# Altium PCB carrier_pcb.PcbDoc (part 2 of 3) (continued)
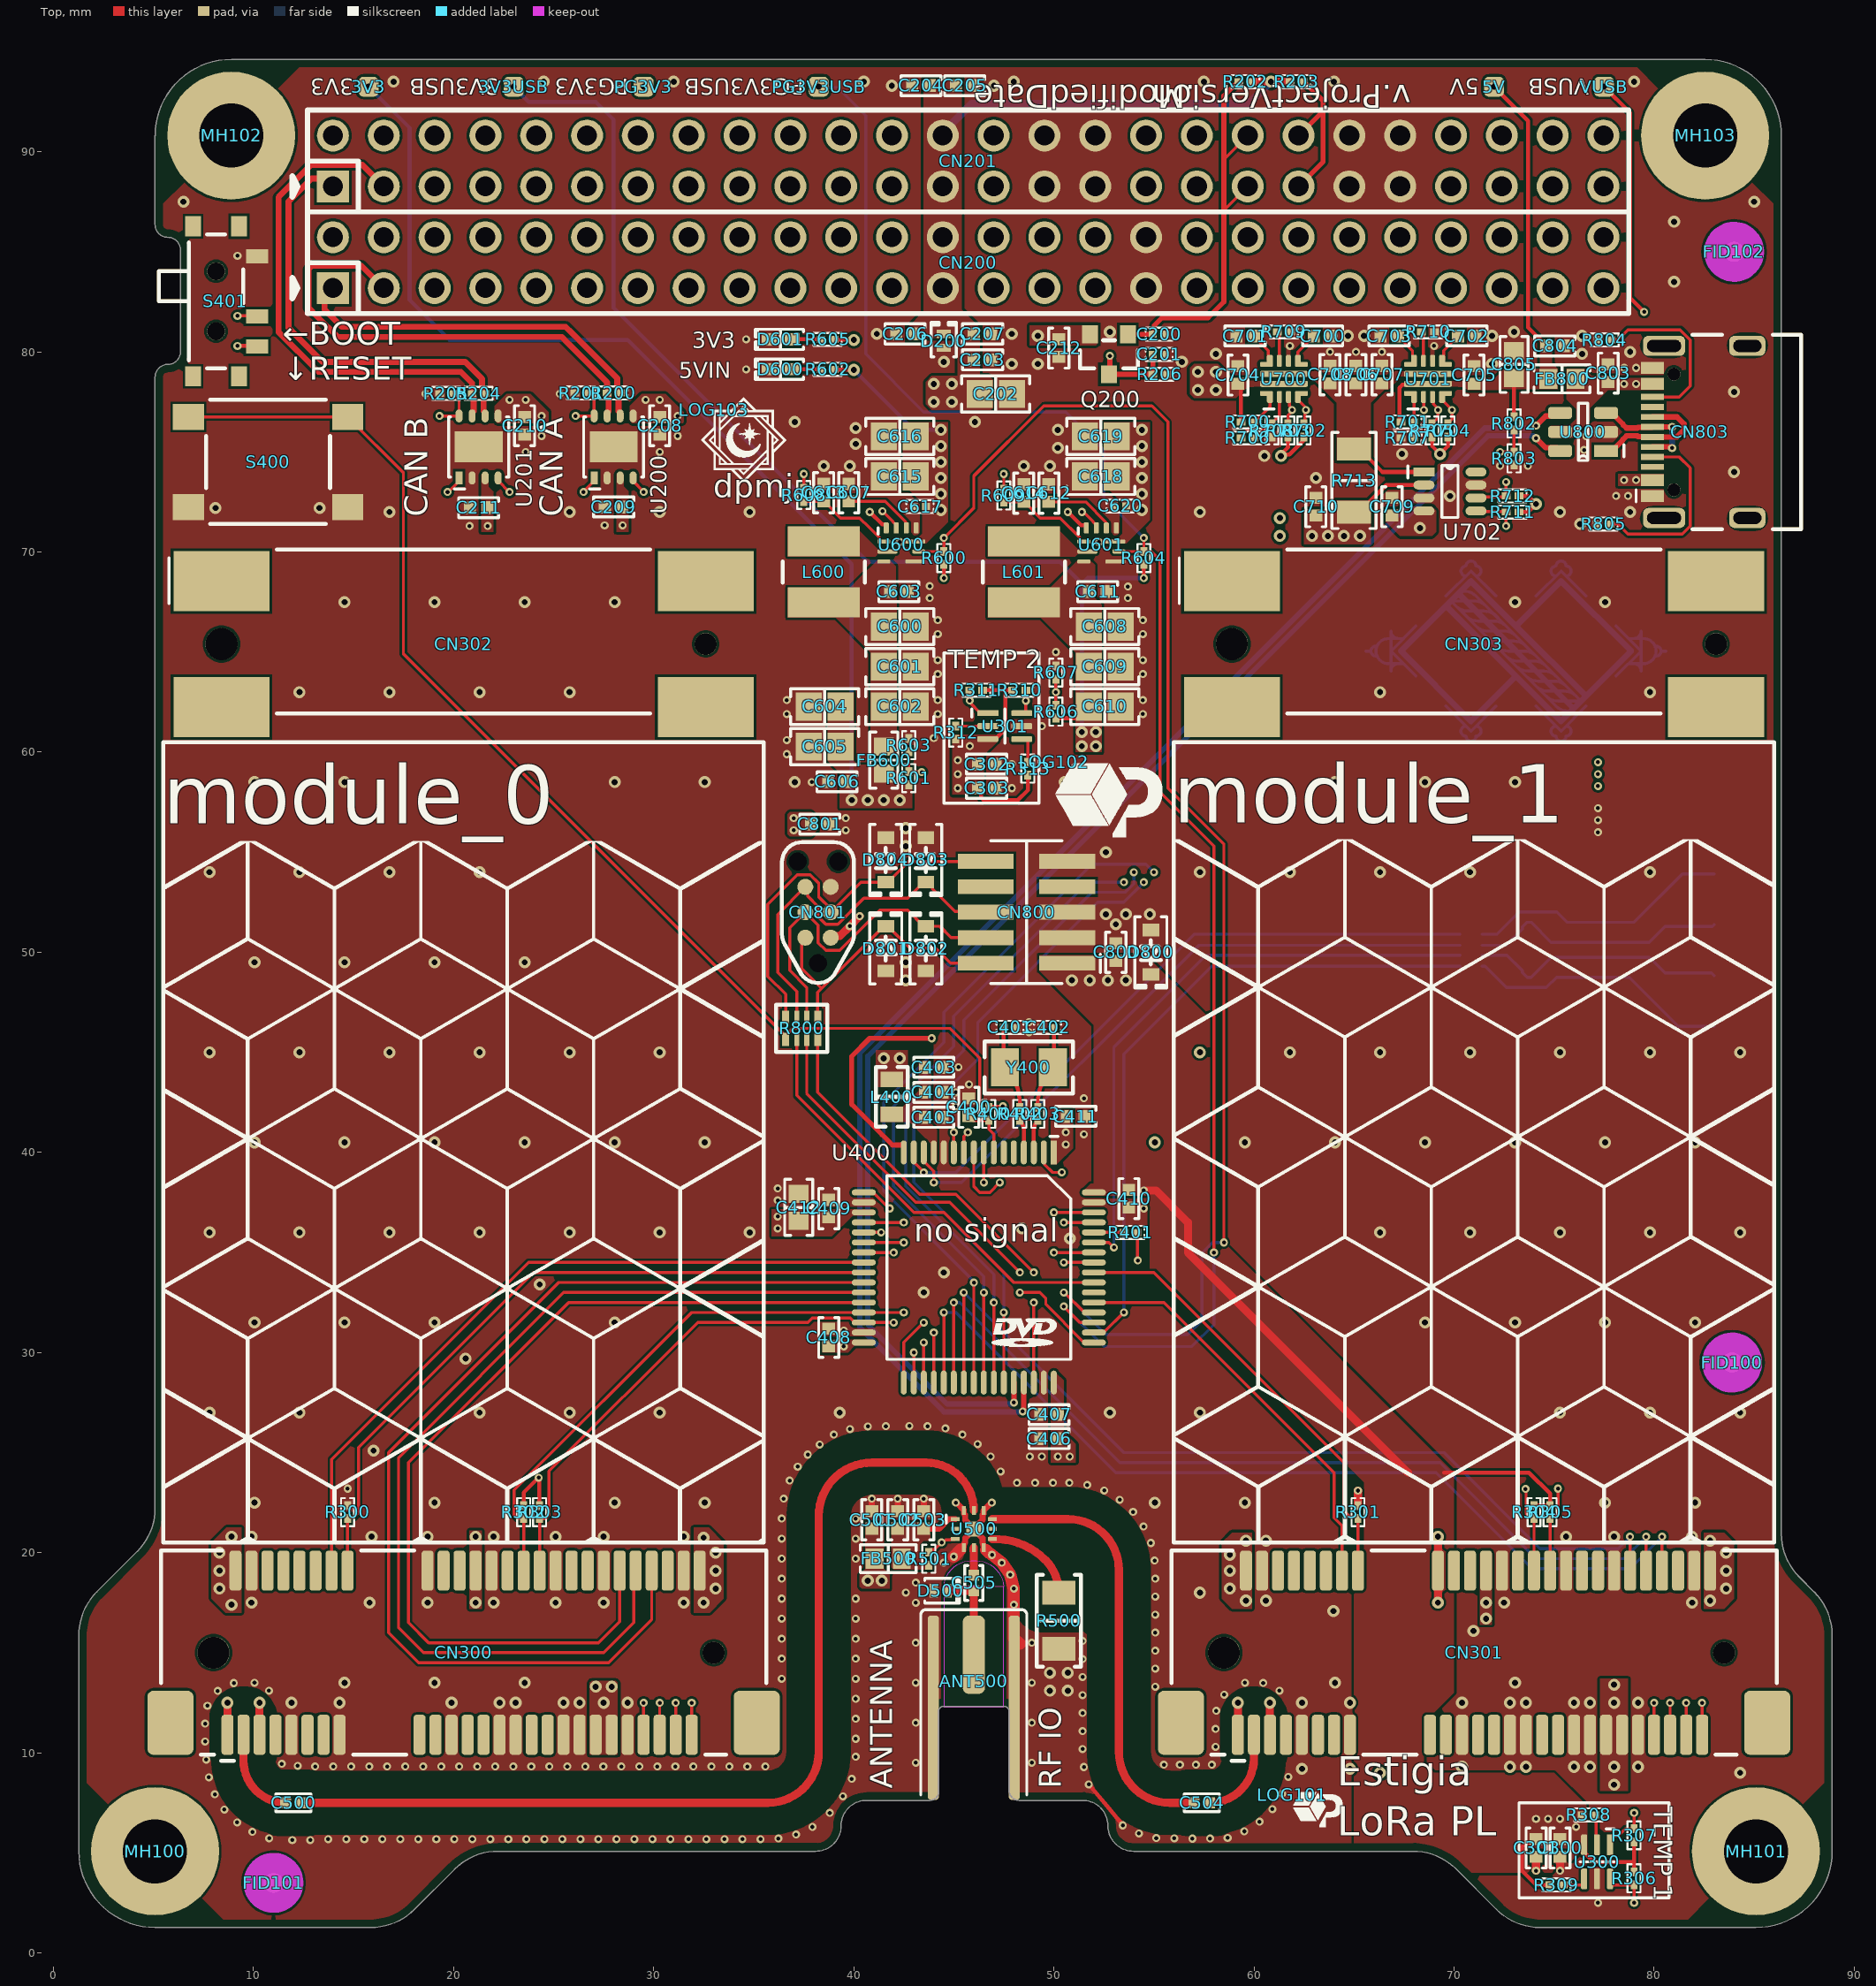
[diagram p0: Top view]
## Nets (pads, with @x,y where several pads share a name; then routed paths per layer and width w, separated by ;. In a path a pad name is that pad's centre, name@x,y a point inside that pad or via, vN(x,y) a via of type N, cw(c..) or ccw(c..) an arc to the next point about the centre after c; other vN are vias at no path point) (continued)
GW0_CLK32M: CN300.12
GW0_ENABLE: CN300.16 R300.2 U400.25 | length 35.4
  Top w0.15: CN300.16@14.7,19.1 R300.2@14.7,21.745 ; R300.2@14.7,21.7 14.762,21.762 15.012,21.762 15.25,22 15.25,25.25 24,34 U400.25@40.5,34
GW0_I2C.SCL: CN300.30 R302.1 R307.1 U300.1 U400.29 | length 85.2
  Top w0.15: CN300.30@23.5,19.1 R302.1@23.5,21.745 ; R302.1@23.5,21.7 23.488,21.712 23.188,21.712 23.029,21.871 23.029,23.129 31.9,32 U400.29@40.5,32 v1(42.5,32) ; U300.1@77.8,5.4 77.8,5.775 77.875,5.85 78.212,5.85 78.562,6.2 R307.1@79,6.2 v1(79,7)
  Layer 1 w0.15: v1(42.5,32) 42.5,29.5 43.3,28.7 58.6,28.7 67.5,19.8 67.5,10.4 72.4,5.5 77.5,5.5 v1(79,7)
GW0_I2C.SDA: CN300.32 R303.1 R306.1 U300.6 U400.30 | length 84.5
  Top w0.15: CN300.32@24.3,19.1 24.3,20.737 24.305,20.742 R303.1@24.305,21.55 ; R303.1@24.3,21.7 24.305,21.705 24.612,21.705 24.773,21.866 24.773,24.073 32.2,31.5 37.7,31.5 37.925,31.725 39.825,31.725 40.05,31.5 U400.30@40.5,31.5 v1(42,31.5) ; U300.6@77.8,3.7 77.8,3.475 77.875,3.4 R306.1@79,3.4 v1(79,2.5)
  Layer 1 w0.15: v1(42,31.5) 42,29.3 43.1,28.2 58.5,28.2 67,19.7 67,10.2 72.2,5 77.5,5 79,3.5 v1(79,2.5)
GW0_PGOOD.1V2: CN300.42 U400.28 | length 48
  Top w0.15: CN300.42@28.3,19.1 28.3,16.55 27.25,15.5 18.75,15.5 17.75,16.5 17.75,24.5 25.75,32.5 U400.28@40.5,32.5
GW0_PGOOD.3V3: CN300.44 U400.27 | length 50.7
  Top w0.15: CN300.44@29.1,19.1 29,19 29,16.5 27.5,15 18.5,15 17.25,16.25 17.25,24.75 25.5,33 U400.27@40.5,33
GW0_PGOOD.3V9: CN300.46 U400.26 | length 53.4
  Top w0.15: CN300.46@29.9,19.1 29.9,16.65 27.75,14.5 18.25,14.5 16.75,16 16.75,25 25.25,33.5 U400.26@40.5,33.5
GW0_RESET: CN300.14 U400.24 | length 36.2
  Top w0.15: CN300.14@13.9,19.1 13.9,24.65 23.75,34.5 U400.24@40.5,34.5
GW0_RFIO: C500.1 CN300.3 | length 4.6
  Top w0.409: CN300.3@9.5,10.9 9.5,9.61 ccw(c11.61,9.61) C500.1@11.61,7.5
GW0_SPI.CSN: CN300.51 U400.20 | length 35
  Top w0.15: CN300.51@31.9,10.9 v1(31.9,12.5) ; U400.20@40.5,36.5 v1(42.5,36.5)
  Layer 1 w0.15: v1(31.9,12.5) 34.4,12.5 35.7,13.8 35.7,29.8 40.45,34.55 42.35,34.55 43,35.2 43,36 v1(42.5,36.5)
GW0_SPI.MISO: CN300.47 U400.22 | length 34.7
  Top w0.15: CN300.47@30.3,10.9 v1(30.3,12.5) ; U400.22@40.5,35.5 v1(42.5,35.5)
  Layer 1 w0.15: v1(30.3,12.5) 31.3,13.5 33.8,13.5 34.5,14.2 34.5,30.2 39.8,35.5 v1(42.5,35.5)
GW0_SPI.MOSI: CN300.49 U400.23 | length 32.7
  Top w0.15: CN300.49@31.1,10.9 v1(31.1,12.5) ; U400.23@40.5,35 v1(42,35)
  Layer 1 w0.15: v1(31.1,12.5) 31.6,13 34.1,13 35.1,14 35.1,30 40.1,35 v1(42,35)
GW0_SPI.SCK: CN300.45 U400.21 | length 33.4
  Top w0.15: CN300.45@29.5,10.9 v1(29.5,12.5) ; U400.21@40.5,36 v1(41.364,36)
  Layer 1 w0.15: v1(29.5,12.5) 31,14 33.5,14 34,14.5 34,30.4 39.6,36 v1(41.364,36)
GW1_CLK32M: CN301.12
GW1_ENABLE: CN301.16 R301.2 U400.56 | length 22.3
  Top w0.15: U400.56@52,34 55,34 64.5,24.5 64.5,22.088 64.8,21.788 65.112,21.788 R301.2@65.2,21.7 CN301.16@65.2,19.1
GW1_I2C.SCL: CN301.30 R304.1 R311.1 R711.1 U301.1 U400.8 U702.5 | length 115.2
  Top w0.15: R311.1@45.8,63.1 45.8,62.475 46.325,61.95 U301.1@46.7,61.95 ; v1(46.5,38.5) U400.8@46.5,40 ; U702.5@71.1,72.05 71.125,72.025 72.575,72.025 R711.1@72.6,72 v1(72.6,71.3) ; v1(73.579,23.179) 73.6,23.158 73.6,21.972 73.727,21.845 73.9,21.845 74,21.745 R304.1@74,21.7 CN301.30@74,19.1
  Layer 1 w0.15: v1(45.791,62.579) 46.5,62.579 ; v1(72.6,71.3) 73.2,71.9 73.2,76.1 70.175,79.125 61.525,79.125 59.7,77.3 48.8,77.3 46.5,75 46.5,62.579 ; v1(73.579,23.179) 73.579,23.221 60.8,36 53.6,36 51.6,38 47,38 v1(46.5,38.5) 46.5,62.579
GW1_I2C.SDA: CN301.32 R305.1 R310.1 R712.1 U301.6 U400.9 U702.6 | length 114.5
  Top w0.15: U400.9@46,40 46,38.3 46.3,38 46.8,38 v1(47.3,38.5) ; U301.6@48.4,61.95 48.525,61.95 48.6,62.025 R310.1@48.6,63.1 ; U702.6@71.1,72.7 71.15,72.75 72.55,72.75 R712.1@72.6,72.8 v1(72.6,73.5) ; CN301.32@74.8,19.1 R305.1@74.8,21.7 74.8,21.745 74.9,21.845 75.112,21.845 75.2,21.933 v1(75.2,23.2)
  Layer 1 w0.15: v1(48.6,62.563) 47,62.563 ; v1(72.6,73.5) 72.6,73.563 72.8,73.763 72.8,75.7 69.8,78.7 61.9,78.7 60.2,77 49.2,77 47,74.8 47,62.563 ; v1(75.2,23.2) 74.6,23.8 73.7,23.8 61,36.5 53.7,36.5 51.7,38.5 v1(47.3,38.5) 47.3,38.572 47,38.872 47,62.563
GW1_PGOOD.1V2: CN301.42 U400.39 | length 45.1
  Top w0.15: U400.39@45.5,28.5 v1(45.5,33) ; CN301.42@78.8,19.1 v1(78.8,20.8)
  Bottom w0.15: v1(45.5,33) 53.5,25 69.5,25 74.3,20.2 78.2,20.2 v1(78.8,20.8)
GW1_PGOOD.3V3: CN301.44 U400.38 | length 46.1
  Top w0.15: U400.38@45,28.5 v1(45,32.5) ; CN301.44@79.6,19.1 v1(79.6,20.8)
  Bottom w0.15: v1(45,32.5) 45.301,32.499 53.3,24.5 69.3,24.5 74.1,19.7 78.5,19.7 v1(79.6,20.8)
GW1_PGOOD.3V9: CN301.46 U400.37 | length 47.1
  Top w0.15: U400.37@44.5,28.5 v1(44.5,32) ; CN301.46@80.4,19.1 v1(80.4,20.8)
  Bottom w0.15: v1(44.5,32) 45.1,32 53.1,24 69.1,24 73.9,19.2 78.8,19.2 v1(80.4,20.8)
GW1_RESET: CN301.14 U400.53 | length 20.6
  Top w0.15: U400.53@52,32.5 55.5,32.5 64,24 64,21.75 64.4,21.35 CN301.14@64.4,19.1
GW1_RFIO: C504.1 CN301.3 | length 4.7
  Top w0.409: C504.1@57.79,7.5 ccw(c57.79,9.71) 60,9.71 CN301.3@60,10.9
GW1_SPI.CSN: CN301.51 U400.33 | length 51.8
  Top w0.15: U400.33@42.5,28.5 42.5,30.5 v1(43.5,31.5) ; CN301.51@82.4,10.9 v1(82.4,12.5)
  Layer 1 w0.15: v1(43.5,31.5) 63.4,31.5 v1(82.4,12.5)
GW1_SPI.MISO: CN301.47 U400.35 | length 48.4
  Top w0.15: U400.35@43.5,28.5 v1(43.5,30.5) ; CN301.47@80.8,10.9 v1(80.8,12.5)
  Layer 1 w0.15: v1(43.5,30.5) 62.8,30.5 v1(80.8,12.5)
GW1_SPI.MOSI: CN301.49 U400.36 | length 49.4
  Top w0.15: U400.36@44,28.5 v1(44,31) ; CN301.49@81.6,10.9 v1(81.6,12.5)
  Layer 1 w0.15: v1(44,31) 63.1,31 v1(81.6,12.5)
GW1_SPI.SCK: CN301.45 U400.34 | length 47.3
  Top w0.15: U400.34@43,28.5 v1(43,30) ; CN301.45@80,10.9 v1(80,12.5)
  Layer 1 w0.15: v1(43,30) 62.5,30 v1(80,12.5)
HEAD.CTS_8: CN802.5 D808.2 R801.3 | length 12.9
  Bottom w0.15: R801.3@71.4,49.85 72.65,49.85 73.41,49.09 73.41,48.987 73.648,48.75 73.852,48.75 74.852,49.75 79.765,49.75 80.538,48.977 82.863,48.977 CN802.5@83,48.84
HEAD.NRST_8: CN800.10 CN801.3 D804.2 R800.4 | length 19.9
  Top w0.15: R800.4@36.6,46.75 36.6,47.9 35.7,48.8 35.7,52.4 37.17,53.87 37.828,53.87 38.249,53.449 38.249,52.769 38.849,52.169 CN801.3@38.849,52 40.349,53.5 D804.2@41.599,53.5 41.702,53.5 42.742,54.54 CN800.10@46.599,54.54
HEAD.RTS_8: CN802.6 D809.2 R801.4 | length 13.3
  Bottom w0.15: R801.4@71.4,49.3 71.55,49.3 72.613,48.237 74.616,48.237 75.129,48.75 D809.2@75.75,48.75 78.75,48.75 81.2,46.3 CN802.6@83,46.3
HEAD.RX_8: CN802.3 D806.2 R801.1 | length 13.3
  Bottom w0.15: R801.1@71.4,50.9 72.14,50.9 73.252,52.013 75.135,52.013 75.648,51.5 D806.2@75.75,51.5 79,51.5 81.42,53.92 CN802.3@83,53.92
HEAD.SWCLK_8: CN800.4 CN801.4 D802.2 R800.2 | length 17.7
  Top w0.15: R800.2@37.65,46.75 37.65,48.25 36.8,49.1 36.8,51.221 CN801.4@37.579,52 38.222,51.357 38.222,50.478 38.609,50.091 39.291,50.091 41.3,52.1 42.697,52.1 43.497,51.3 44.3,51.3 44.87,50.73 CN800.4@46.599,50.73
HEAD.SWDIO_8: CN800.2 CN801.2 D801.2 R800.1 | length 14.8
  Top w0.15: CN801.2@37.579,50.73 37.579,50.554 37.4,50.375 37.4,49.2 38.399,48.201 ; R800.1@38.2,46.75 38.2,48.002 41.498,51.3 D801.2@41.6,51.3 41.702,51.3 42.802,50.2 44.094,50.2 44.834,49.46 CN800.2@46.599,49.46
HEAD.SWO_8: CN800.6 CN801.6 D803.2 R800.3 | length 19.3
  Top w0.15: R800.3@37.15,46.75 37.15,48.05 36.2,49 36.2,51.891 CN801.6@37.579,53.27 37.697,53.153 37.697,52.803 38.217,52.283 38.217,51.784 38.601,51.4 39.2,51.4 40.5,52.7 42.697,52.7 43.497,53.5 43.702,53.5 43.939,53.262 43.939,53.16 45.067,52.032 46.567,52.032 CN800.6@46.599,52
HEAD.TX_8: CN802.4 D807.2 R801.2 | length 12.9
  Bottom w0.15: R801.2@71.4,50.35 72.6,50.35 73.41,51.16 73.41,51.263 73.648,51.5 73.852,51.5 74.852,50.5 79.75,50.5 80.538,51.288 82.908,51.288 CN802.4@83,51.38
KILL_5V: CN201.39 CN201.40 R203.1 R608.2 | length 46.9
  Top w0.15: R608.2@37.5,73.175 v1(37.5,73.9)
  Top w0.25: CN201.39@62.23,88.27 63.46,89.5 63.46,92.04 ; CN201.40@62.23,90.81 63.46,92.04 ; R203.1@62.45,93.5 62.495,93.5 63.46,92.535 63.46,92.04
  Layer 1 w0.2: v1(37.5,73.9) 37.5,74.9 44.3,81.7 60.3,81.7 61,82.4 61,87.04 ; CN201.39@62.23,88.27 61,87.04 ; CN201.40@62.23,90.81 61,89.58 61,87.04
MCU_BOOT0_4: R401.2 U400.60 | length 1.5
  Top w0.15: U400.60@52,36 R401.2@53.5,36
MCU_NRESET: C400.2 R400.1 R800.5 S400.B1 S400.B2 U400.7 | length 64.8
  Top w0.15: S400.B2@6.75,76.75 S400.B1@14.7,76.75 17.492,73.958 17.492,64.908 36.6,45.8 R800.5@36.6,45.65 36.7,45.75 36.7,45.933 36.967,46.2 44.8,46.2 46.3,44.7 46.3,42.232 46.103,42.035 45.975,42.035 C400.2@45.75,41.81 45.96,41.6 R400.1@46.75,41.6 46.757,41.593 46.757,41.155 47,40.912 U400.7@47,40
NetC401_2: C401.2 R402.1 Y400.1 | length 4.2
  Top w0.2: C401.2@47.5,46.25 47.5,44.371 ccw(c47.671,44.371) Y400.1@47.55,44.25 47.556,44.244 cw(c45.76,42.448) 48.3,42.448 R402.1@48.3,42.25
NetC402_2: C402.2 R403.1 Y400.2 | length 4.2
  Top w0.2: R403.1@49.2,42.25 49.2,42.448 cw(c51.74,42.448) 49.944,44.244 ccw(c49.809,44.379) Y400.2@49.95,44.25 ccw(c49.809,44.379) 50,44.379 C402.2@50,46.25
NetCN803_A5: CN803.A5 R805.2 | length 9.4
  Top w0.15: R805.2@77.8,71.4 78.2,71.4 78.7,70.9 81.4,70.9 81.8,71.3 81.8,74.2 81.25,74.75 CN803.A5@79.91,74.75
NetCN803_B5: CN803.B5 R804.2 | length 8.8
  Top w0.15: R804.2@77.85,80.6 77.857,80.607 78.207,80.607 78.7,81.1 81.3,81.1 81.8,80.6 81.8,78.3 81.25,77.75 CN803.B5@79.91,77.75
NetD600_1: D600.1 R602.1 | length 1.4
  Top w0.2: D600.1@36.92,79.125 R602.1@38.37,79.125
NetD601_1: D601.1 R605.1 | length 1.4
  Top w0.2: D601.1@36.92,80.625 R605.1@38.37,80.625
NetR308_1: R308.1 U300.2 | length 1.5
  Top w0.15: R308.1@77.05,6.9 77.1,6.85 77.1,5.45 U300.2@77.15,5.4
NetR309_1: R309.1 U300.4 | length 1.3
  Top w0.15: R309.1@75.45,3.4 76.425,3.4 76.5,3.475 U300.4@76.5,3.7
NetR312_1: R312.1 U301.2 | length 1.6
  Top w0.15: R312.1@45.1,61.3 U301.2@46.7,61.3
NetR313_1: R313.1 U301.4 | length 1.4
  Top w0.15: U301.4@48.4,60.65 48.625,60.65 48.7,60.575 R313.1@48.7,59.5
OSC32.IN_4: R403.2 U400.3 | length 1.7
  Top w0.2: U400.3@49,40 49,41.117 cw(c49.683,41.117) R403.2@49.2,41.6
OSC32.OUT_4: R402.2 U400.4 | length 1.7
  Top w0.2: R402.2@48.3,41.6 cw(c47.817,41.117) 48.5,41.117 U400.4@48.5,40
P_SAT_ST.ACTIVE: R703.2 U400.41 U700.3 U701.2 | length 69
  Top w0.15: U400.41@46.5,28.5 v1(46.5,33) ; R703.2@61.7,76.4 61.713,76.413 61.713,76.845 61.9,77.032 v1(61.9,77.1) 61.9,77.168 61.775,77.293 61.775,77.7 U700.3@61.725,77.75 ; U701.2@68.475,77.75 68.487,77.738 68.487,77.113 v1(68.5,77.1)
  Layer 1 w0.15: v1(53.5,53.5) 53.476,53.524 53.476,55.376 61.9,63.8 v1(61.9,77.1) 62.5,77.7 67.9,77.7 v1(68.5,77.1)
  Bottom w0.15: v1(46.5,33) 46.5,33.8 42,38.3 42,42.3 45,45.3 45,46.8 51.7,53.5 v1(53.5,53.5)
P_SAT_ST.FAULT: R702.2 U400.42 U700.4 | length 61.2
  Top w0.15: U400.42@47,28.5 v1(47,32.5) ; U700.4@62.2,77.75 62.2,77.6 62.552,77.248 62.552,77.148 v1(62.6,77.1) 62.552,77.052 62.552,76.452 R702.2@62.5,76.4
  Layer 1 w0.15: v1(54,54) 54,54.9 62.3,63.2 62.3,76.8 v1(62.6,77.1)
  Bottom w0.15: v1(47,32.5) 47,33.9 42.6,38.3 42.6,42.2 45.5,45.1 45.5,46.6 51.9,53 53.566,53 54,53.434 v1(54,54)
P_USB_ST.ACTIVE: R705.2 U400.43 U701.3 | length 64.7
  Top w0.15: U400.43@47.5,28.5 v1(47.5,32) ; R705.2@68.9,76.4 68.9,76.445 69,76.545 69.045,76.545 69.2,76.7 v1(69.2,77.1) 69.2,77.168 68.975,77.393 68.975,77.7 U701.3@68.925,77.75
  Layer 1 w0.15: v1(54.5,53.5) 54.5,54.4 70.4,70.3 70.4,75.9 v1(69.2,77.1)
  Bottom w0.15: v1(47.5,32) 47.5,34 43,38.5 43,41.465 46.2,44.665 46.2,46.5 52.2,52.5 53.5,52.5 v1(54.5,53.5)
P_USB_ST.FAULT: R704.2 U400.40 U701.4 | length 67.1
  Top w0.15: U400.40@46,28.5 v1(46,33.5) ; U701.4@69.4,77.75 69.4,77.6 v1(69.9,77.1) 69.9,76.633 69.812,76.545 69.8,76.545 69.7,76.445 R704.2@69.7,76.4
  Layer 1 w0.15: v1(55,54) 70.9,69.9 70.9,76.1 v1(69.9,77.1)
  Bottom w0.15: v1(46,33.5) 46,33.566 41.5,38.066 41.5,42.5 44.5,45.5 44.5,47 51.9,54.4 54.6,54.4 v1(55,54)
PMUX_SAT.DVDT_7: C700.2 U700.7 | length 1.6
  Top w0.15: U700.7@62.2,79.55 62.2,80 62.755,80.555 62.775,80.555 63,80.78 C700.2@63,80.8
PMUX_SAT.EN_7: R700.1 R706.2 U700.1 | length 2.7
  Top w0.15: R706.2@59.35,75.7 59.395,75.7 59.495,75.8 59.495,75.922 59.855,76.282 59.855,76.4 59.955,76.5 60.045,76.5 60.8,77.255 U700.1@60.8,77.75
PMUX_SAT.ILM_7: R709.2 U700.9 | length 1.4
  Top w0.15: U700.9@61.275,79.55 R709.2@61.275,80.94
PMUX_SAT.ITIMER_7: C701.2 U700.10 | length 1.6
  Top w0.15: C701.2@60,80.8 60,80.78 60.725,80.055 60.725,79.625 U700.10@60.8,79.55
PMUX_SAT.OVLO_7: R706.1 R708.2 U700.2 | length 2.7
  Top w0.15: R706.1@60,75.7 60.045,75.7 60.6,76.255 60.8,76.255 60.9,76.355 R708.2@60.9,76.4 60.9,76.445 61.275,76.82 U700.2@61.275,77.75
PMUX_USB.DVDT_7: C702.2 U701.7 | length 1.6
  Top w0.15: U701.7@69.4,79.55 69.475,79.625 69.475,80.055 70.2,80.78 C702.2@70.2,80.8
PMUX_USB.EN_7: R701.1 R707.2 U701.1 | length 2.1
  Top w0.15: R707.2@68,75.7 R701.1@68,76.5 U701.1@68,77.75
PMUX_USB.ILM_7: R710.2 U701.9 | length 1.4
  Top w0.15: U701.9@68.475,79.55 R710.2@68.475,80.988
PMUX_USB.ITIMER_7: C703.2 U701.10 | length 1.6
  Top w0.15: C703.2@67.2,80.8 67.2,80.78 67.925,80.055 67.925,79.625 U701.10@68,79.55
RADIO_CLK32M: U400.5
RBF_3V3: C201.2 Q200.3 R206.1 U400.16 | length 53.8
  Top w0.25: U400.16@42.5,40 42.5,40.342 42.477,40.366 41.934,40.366 41.4,40.9 39.9,42.4 39.9,44.8 40.8,45.7 v1(43.9,45.7) ; v1(52.8,79.8) 52.8,78.93 Q200.3@52.75,78.88 R206.1@54.95,78.88 C201.2@54.95,79.88
  Layer 1 w0.25: v1(43.9,45.7) 44.6,46.4 44.6,60.8 45.1,61.3 45.1,74.4 50.5,79.8 v1(52.8,79.8)
RBF_5V_2: C200.2 CN201.37 CN201.38 Q200.1 R202.1 | length 20.4
  Top w0.15: 58.5,87.08 CN201.37@59.69,88.27 ; 58.5,89.62 CN201.38@59.69,90.81
  Top w0.25: Q200.1@53.7,80.88 C200.2@54.95,80.88 54.975,80.88 55.025,80.93 55.025,81.325 55.4,81.7 57.7,81.7 58.5,82.5 58.5,87.08 58.5,89.62 58.5,92.795 59.205,93.5 R202.1@59.25,93.5
RFSW.P1_5: R500.2 U500.7 | length 4.7
  Top w0.409: U500.7@46.93,20.68 cw(c47.053,17.118) 49.573,19.636 cw(c47.934,18) 50.216,18.395 R500.2@50.25,18
RFSW.P2_5: C505.1 U500.5 | length 1.4
  Top w0.409: C505.1@46,18.88 46,19.929 ccw(c45.591,19.929) 45.994,19.996 cw(c46.616,20.099) 45.991,20.179 45.992,20.185 ccw(c45.586,20.237) 45.993,20.195 cw(c46.619,20.131) 45.995,20.216 U500.5@46,20.25
RFSW.P3_5: C500.2 U500.11 | length 49.7
  Top w0.409: C500.2@12.39,7.5 35.71,7.5 ccw(c35.71,10.04) 38.25,10.04 38.25,21.841 cw(c40.909,21.841) 40.909,24.5 43.61,24.5 cw(c43.61,22.11) U500.11@46,22.11
RFSW.P4_5: C504.2 U500.9 | length 22.1
  Top w0.409: U500.9@46.93,21.68 50.71,21.68 cw(c50.71,19.14) 53.25,19.14 53.25,10.04 ccw(c55.79,10.04) 55.79,7.5 C504.2@57.01,7.5
RFSW_CTRL: R501.1 U400.17 U500.3 | length 23.8
  Top w0.15: U400.17@40.5,38 40.975,38 41.775,37.2 v1(41.8,37.2) ; R501.1@43.753,20.02 43.753,20.053 43.853,20.153 44.033,20.153 v1(44.392,20.512) ; v1@44.4,20.5 44.447,20.5 44.591,20.644 44.837,20.644 44.848,20.655 45.045,20.655 U500.3@45.07,20.68
  Layer 1 w0.15: v1(41.8,37.2) 42.6,37.2 43.6,36.2 43.6,34.5 40.8,31.7 40.8,28.4 42.2,27 42.2,24.4 42.9,23.7 42.9,22.004 v1(44.392,20.512)
SWD.SWCLK: R800.7 U400.49 | length 23
  Top w0.15: R800.7@37.65,45.65 37.65,42.95 43.1,37.5 44.8,37.5 v1(48.3,34) ; v1(48.3,33) 49.3,33 49.6,32.7 49.6,32.4 51.425,30.575 51.434,30.575 51.509,30.5 U400.49@52,30.5
  Layer 1 w0.15: v1(48.3,33) v1(48.3,34)
SWD.SWDIO: R800.8 U400.46 | length 22.7
  Top w0.15: R800.8@38.2,45.65 38.2,43 43.3,37.9 45.1,37.9 v1(49,34) ; U400.46@49,28.5 v1(49,32.5)
  Layer 1 w0.15: v1(49,32.5) v1(49,34)
SWD.SWO: R800.6 U400.55 | length 21.5
  Top w0.15: R800.6@37.15,45.65 37.15,42.85 43,37 44.5,37 48,33.5 U400.55@52,33.5
UART4.CTS: R801.6 U400.59 | length 30.3
  Top w0.15: U400.59@52,35.5 52.75,35.5 v1(53,35.25)
  Bottom w0.15: v1(53,35.25) 53,45.25 57.6,49.85 R801.6@70.3,49.85
UART4.RTS: R801.5 U400.50 | length 33.4
  Top w0.15: U400.50@52,31 52.491,31 52.566,31.075 52.575,31.075 v1(53.5,32)
  Bottom w0.15: v1(53.5,32) 53.5,44.9 57.9,49.3 R801.5@70.3,49.3
UART4.RX: R801.8 U400.15 | length 32.9
  Top w0.15: U400.15@43,40 43,39.52 43.495,39.025 v1(43.495,38.995)
  Bottom w0.15: v1(43.495,38.995) 43.5,39 45.1,39 57,50.9 R801.8@70.3,50.9
UART4.TX: R801.7 U400.14 | length 32.9
  Top w0.15: U400.14@43.5,40 43.5,39.555 44,39.055 v1(44,38.5)
  Bottom w0.15: v1(44,38.5) 45.4,38.5 57.25,50.35 R801.7@70.3,50.35
USB3V3.EN_6: C614.2 R609.1 U601.1 | length 4.9
  Top w0.15: R609.1@47.5,72.5 C614.2@48.5,72.5 48.52,72.5 49.32,71.7 50.325,71.7 51.293,70.732 51.293,70.55 51.318,70.525 U601.1@51.5,70.525
USB3V3.FB_6: R606.1 R607.2 U601.9 | length 13.2
  Top w0.15: R606.1@50.1,62.35 v1(50.1,63) R607.2@50.1,63.65 ; v1(51.4,72) 51.448,71.952 51.526,71.952 51.95,71.529 51.95,71.525 52.125,71.35 U601.9@52.125,71.2
  Layer 1 w0.15: v1(50.1,63) 52.8,65.7 52.8,70.7 51.636,71.864 51.631,71.864 51.495,72 v1(51.4,72)
USB3V3.SS_6: C612.2 U601.8 | length 3.6
  Top w0.15: C612.2@49.75,72.5 51.6,72.5 52.6,71.5 52.6,71.225 U601.8@52.625,71.2
USB3V3.SW_6: L601.1 U601.2
USB.D_N: U400.44 U800.6 | length 71.1
  Top w0.269: v1(48,27.5) U400.44@48,28.5 ; v1(74.1,75.687) 74.582,75.206 75.144,75.206 U800.6@75.3,75.05
  Bottom w0.269: v1(48,27.5) 47.964,27.5 47.893,27.429 44.671,27.429 40.7,31.4 40.7,44.8 71.702,75.802 73.95,75.802 74.064,75.687 v1(74.1,75.687)
USB.D_P: U400.45 U800.4 | length 73.3
  Top w0.269: v1(48.442,27.058) 48.442,27.094 48.5,27.152 U400.45@48.5,28.5 ; v1(74.1,76.312) 74.582,76.794 75.144,76.794 U800.4@75.3,76.95
  Bottom w0.269: v1(48.442,27.058) 48.417,27.033 44.507,27.033 40.304,31.236 40.304,44.964 71.538,76.198 73.95,76.198 74.064,76.312 v1(74.1,76.312)
USB_PGOOD: PG3V3USB.0 R604.1 U400.51 U601.5 | length 86.8
  Top w0.15: v1(50.5,32.3) 51.3,31.5 U400.51@52,31.5 ; U601.5@53.25,70.025 R604.1@54.5,70.025 ; v1(54.5,70.7) R604.1@54.5,70.025 ; v1(58,35) 58,55.3 55.3,58 55.3,69.6 54.875,70.025 R604.1@54.5,70.025
  Bottom w0.15: PG3V3USB.0@38.25,93.25 38.5,93.25 38.537,93.213 39.187,93.213 40.6,91.8 40.6,79.9 43.5,77 50.6,77 52.5,75.1 52.5,72.7 v1(54.5,70.7) ; v1(50.5,32.3) 52.5,30.3 56.9,30.3 58,31.4 v1(58,35)
USB_PWR_EN: R609.2 R802.1 R803.2 U400.2 | length 69.3
  Top w0.15: R609.2@47.5,73.15 v1(47.5,73.9) ; U400.2@49.5,40 49.529,39.971 49.529,39.417 49.946,39 v1(50.4,39) ; v1(72.3,75) R803.2@73,75 R802.1@73,76.1
  Layer 1 w0.15: v1(50.4,39) 49.3,40.1 49.3,60.1 50,60.8 50,61.9 49.3,62.6 49.3,72.1 v1(47.5,73.9) 47.5,74.5 49.7,76.7 60.7,76.7 62.2,78.2 69.436,78.2 72.282,75.354 72.282,75.018 v1(72.3,75)
USBC.D_8_N: CN803.A7 CN803.B7 U800.3 | length 5.7
  Top w0.269: U800.3@77.6,76.95 77.892,76.95 78.436,76.405 78.436,76.379 78.617,76.198 79.16,76.198 79.196,76.234 79.894,76.234 CN803.A7@79.91,76.25 79.914,76.254 80.896,76.254 v1(80.9,76.258) ; CN803.B7@79.91,75.25 80.85,75.25 cw(c80.85,75.2) v1(80.9,75.2)
  Bottom w0.269: v1(80.9,75.2) v1(80.9,76.258)
USBC.D_8_P: CN803.A6 CN803.B6 U800.1 | length 6.4
  Top w0.269: U800.1@77.6,75.05 77.9,75.05 78.446,75.596 78.446,75.631 78.617,75.802 79.16,75.802 79.196,75.766 79.894,75.766 CN803.A6@79.91,75.75 81.15,75.75 81.5,76.1 81.5,76.4 81.15,76.75 CN803.B6@79.91,76.75
VBUS_5V_SAT: C202.2 C203.2 C204.2 C205.2 C206.2 C207.2 C704.2 CN200.25 CN200.26 CN201.25 CN201.26 D200.2 R202.2 R203.2 R700.2 U700.5 | length 21.5
  Top w0.2: C704.2@59.2,78.4 59.35,78.25 R700.2@59.35,76.5
  Top w0.4: R202.2@59.9,93.5 v2(60.85,93.5) R203.2@61.8,93.5
  Bottom w0.4: CN201.26@44.45,90.81 44.45,90.95 45.9,92.4 59.75,92.4 v2(60.85,93.5)
  other v2: 44,77.5 44.9,77.5 57.2,78.1 58.1,78.1 44,78.4 44.9,78.4 57.2,79 58.1,79
VBUS_5V_USB: C803.2 CN803.A4-B9 CN803.B4-A9 FB800.1 U800.5 VUSB.0 | length 16.6
  Top w0.2: VUSB.0@77.5,93.25 78.8,91.95 78.8,82.7 v1(79.5,82)
  Layer 2 w0.2: v1(78.5,78.4) 77.9,79 77.9,80.4 v1(79.5,82)
  other v1: 78.5,73.6 79.1,73.6 79.1,78.4
VCC_3V3: 3V3.0 C208.2 C209.2 C210.2 C211.2 C212.2 C300.2 C301.2 C302.2 C303.2 C408.2 C409.2 C410.2 C411.2 C412.2 C501.2 C604.2 C605.2 C606.2 C709.2 C800.2 C801.2 C802.2 CN800.1 CN801.1 CN802.1 D800.2 D805.2 FB500.1 FB600.2 L400.1 Q200.2 R302.2 R303.2 R304.2 R305.2 R306.2 R307.2 R308.2 R309.2 R310.2 R311.2 R312.2 R313.2 R400.2 R600.2 R601.2 R605.2 R702.1 R703.1 R704.1 R705.1 R711.2 R712.2 S401.3 U200.3 U200.5 U201.3 U201.5 U300.3 U301.3 U400.1 U400.19 U400.32 U400.64 U702.4 | length 109.9
  Top w0.2: v1(9.2,80.3) 10.154,80.3 S401.3@10.178,80.276 ; R302.2@23.5,22.35 23.5,23 v1(24.25,23.75) 24.275,23.725 24.275,22.375 R303.2@24.3,22.35 ; R605.2@39.02,80.625 39.033,80.612 39.987,80.612 v2(40,80.6) ; v1(44.5,68.7) R600.2@44.5,69.375 ; C303.2@46.2,58.2 46.372,58.028 46.372,57.728 46.5,57.6 48.2,57.6 48.7,58.1 R313.2@48.7,58.85 ; R311.2@46.45,63.1 47.2,63.1 47.525,63.1 ; U301.3@46.7,60.65 47.075,60.65 47.575,61.15 47.575,63.05 47.525,63.1 ; R400.2@46.75,42.25 46.775,42.275 47.425,42.275 v1(47.45,42.3) ; R310.2@47.95,63.1 47.525,63.1 ; v2(61.35,74.8) v2@61.5,74.8 ; R703.1@61.7,75.75 61.7,75.23 61.441,74.971 61.441,74.859 v2@61.5,74.8 ; R702.1@62.5,75.75 62.5,75.6 61.777,74.877 61.535,74.877 61.5,74.842 v2@61.5,74.8 ; R705.1@68.9,75.75 68.9,75.3 v2(69.3,74.9) 69.7,75.3 R704.1@69.7,75.75 ; 69.5,24 73.75,24 74.8,22.95 R305.2@74.8,22.35 R304.2@74,22.35 ; R711.2@73.25,72 73.7,72 v2(74.1,72.4) 73.7,72.8 R712.2@73.25,72.8 ; C301.2@74.1,5.68 73.938,5.518 73.618,5.518 73.4,5.3 73.4,4.1 74.1,3.4 R309.2@74.8,3.4 ; U300.3@76.5,5.4 76.5,5.025 76.988,4.537 79,4.537 ; R306.2@79,4.05 79,4.537 ; R307.2@79,5.55 79,4.8 79,4.65 79,4.537
  Top w0.4: CN801.1@38.849,50.73 38.926,50.807 39.307,50.807 v1(39.8,51.3) v1(40.3,51.8) ; v1(54.5,38.1) 55.1,38.1 56.7,36.5 56.7,35 67.7,24
  Bottom w0.2: 3V3.0@15.75,93.25 17.8,91.2 17.8,82.6 19.8,80.6 28.7,80.6 39.9,69.4 v2(39.9,57.6)
  other v1: 76.1,6.3 74.1,6.7 74.7,6.7 75.3,6.7 39.5,30.3 36.2,36.2 36.2,36.8 50.6,40.4 50.6,41 37,56.1 37,56.7 45.2,58.2 77.2,58.3 45.2,58.9 77.2,58.9 77.2,59.5 45.2,59.6 45.8,60.3 21.7,71.3 28.45,71.33 24.4,76.8 31.2,76.8 22.8,77.6 23.6,77.6 29.6,77.6 30.3,77.6
  other v2: 40.7,18.6 41.4,18.6 41.5,44.7 42.3,44.7 50.9,48.6 51.8,48.6 52.7,48.6 53.6,48.6 40.7,57.6 41.5,57.6 42.3,57.6 68.3,71.2 49.2,80.8
VCC_3V3_USB: 3V3USB.0 C406.2 C407.2 C608.2 C609.2 C610.2 C611.2 L601.2 R604.2 R606.2 U400.48 U601.3 | length 57.4
  Top w0.2: R606.2@50.1,61.7 51.2,61.7 51.75,62.25 C610.2@51.75,62.275 ; v1(54.5,68.7) R604.2@54.5,69.375
  Bottom w0.2: 3V3USB.0@23,93.25 23.75,92.5 27.1,92.5 28,91.6 28,82.2 40.7,69.5 50.316,69.5 51.4,68.416 ; v2(51.4,61) 51.4,68.416 ; v1(54.5,68.7) 51.684,68.7 51.4,68.416
  other v1: 50.2,24.8 50.8,24.8
  other v2: 51.4,60.3 52.1,60.3 52.1,61
VCC_5V: C615.2 C616.2 C617.2 C618.2 C619.2 C620.2 C710.2 CN300.2 CN300.24 CN300.39 CN300.41 CN300.52 CN301.2 CN301.24 CN301.39 CN301.41 CN301.52 R602.2 R713.1 U600.6 U600.10 U601.6 U601.10 U702.2 | length 19.1
  Top w0.2: R602.2@39.02,79.125 39.033,79.112 39.987,79.112 v2(40,79.1) ; v1(40.8,72) 41.425,71.375 41.6,71.375 41.625,71.35 U600.10@41.625,71.2 ; v1(42.3,70.5) 42.325,70.525 U600.6@43.075,70.525 ; v1(50.7,72) 51.365,71.335 51.6,71.335 51.6,71.225 U601.10@51.625,71.2 ; v1(52.25,70.5) 52.275,70.525 U601.6@53.075,70.525 ; R713.1@65,72 65.275,72 65.75,72.475 65.75,72.488 66.612,73.35 U702.2@68.5,73.35
  Layer 1 w0.2: v1(40.8,72) v1(42.3,70.5) ; v1(50.7,72) 50.725,72 52.225,70.5 v1(52.25,70.5)
  Bottom w0.2: v2(40,79.1) 43,76.1 v2(44.35,76.1)
  other v2: 78,8.4 78,9.3 27.5,12.5 78,12.5 27.1,13.3 27.9,13.3 78,13.4 71.6,16.7 8.9,17.4 21.1,17.5 32.5,17.5 71.6,17.5 59.6,17.6 82.8,17.6 8.3,18.2 33.1,18.2 58.8,18.2 83.6,18.2 8.3,19.1 33.1,19.1 58.8,19.1 83.6,19.1 58.8,19.9 8.3,20 33.1,20 83.6,20 59.6,20.6 82.8,20.6 32.5,20.75 8.9,20.8 21.1,20.8 61.3,70.8 62.9,70.8 63.7,70.8 64.5,70.8 65.3,70.8 61.3,71.7 44.35,72.1 54.4,72.1 44.35,72.9 54.4,72.9 44.35,73.7 54.4,73.7 44.35,74.5 54.4,74.5 44.35,75.3 54.4,75.3 54.4,76.1
VCC_5V_MUX: C706.2 C707.2 C708.2 R713.2 U700.6 U701.6 U702.1 | length 4
  Top w0.2: R713.2@65,75.15 65.275,75.15 66.425,74 U702.1@68.5,74